# Altium PCB EinsyRetro.PcbDoc (part 4 of 5)
Units mil, origin at the board's own origin, x right, y up, seen from the top; angles counter-clockwise.
Board outline 4134 x 2795 mil, 6 copper layers (Top, GND, Signal Layer 1, Supply, Signal Layer 2, Bottom), stack 61.838 mil thick; 427 components, 287 nets, 1377 pads, 895 vias.
Unrouted connection lines stored in the file: 3.
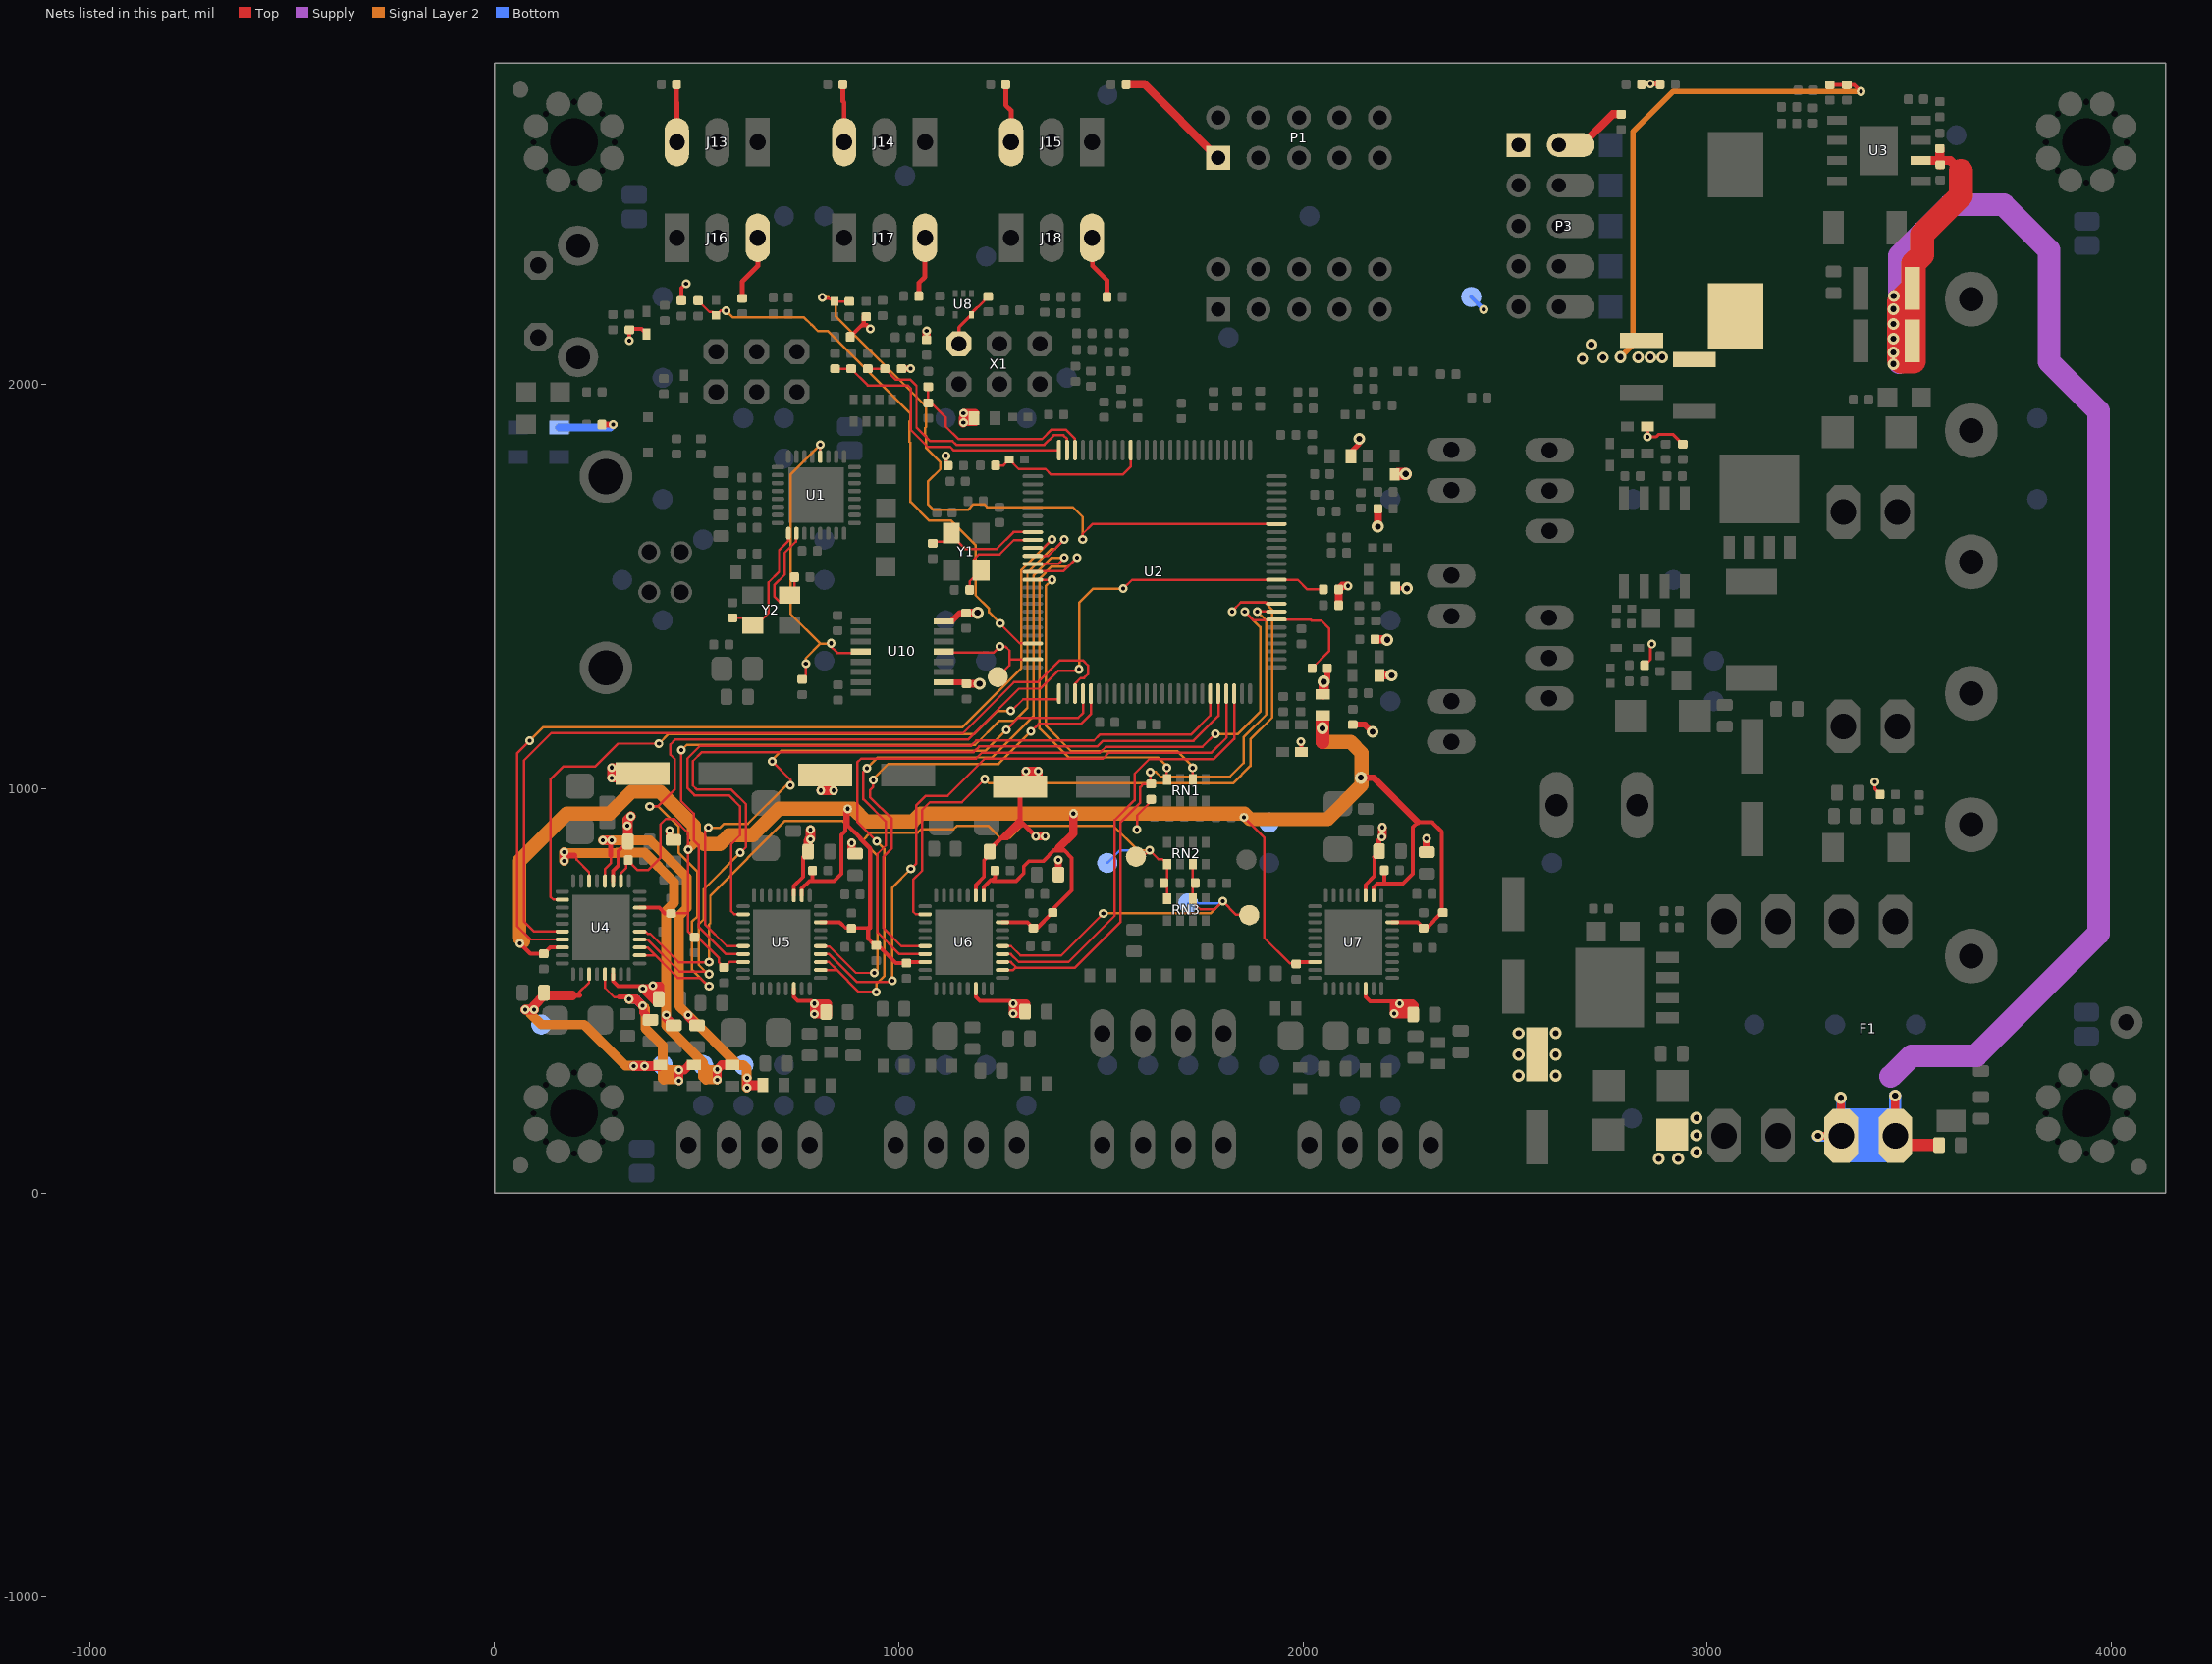
[diagram p8: the nets of this part, all layers, seen from the top]

## Via types
v1: diameter 22, hole 10, Top to Bottom, tented both sides, 330 vias
v2: diameter 22, hole 10, Top to Bottom, 295 vias
v3: diameter 30, hole 15, Top to Bottom, 194 vias
v4: diameter 30, hole 15, Top to Bottom, tented both sides, 45 vias
v5: diameter 29, hole 15, Top to Bottom, tented both sides, 27 vias
v6: diameter 32, hole 15, Top to Bottom, tented both sides, 4 vias

## Nets (pads, with @x,y where several pads share a name; then routed paths per layer and width w, separated by ;. In a path a pad name is that pad's centre, name@x,y a point inside that pad or via, vN(x,y) a via of type N, cw(c..) or ccw(c..) an arc to the next point about the centre after c; other vN are vias at no path point) (continued)
VCC: C25.2 C30.2 C35.2 C44.1 C46.2 C68.2 C69.1 C121.2 C122.1 C125.1 C126.1 C127.1 C128.1 C129.1 D1.K D3.C D11.K D13.K D15.K D33.K FB3.1 FB4.1 FB21.1 J13.3 J14.3 J15.3 J16.3 J17.3 J18.3 JP3.2 L1.2 P1.1 P3.1 P3.2 R3.1 R5.2 R28.2 R29.2 R31.2 R35.2 R36.2 R46.2 R51.2 R52.2 R54.2 R60.2 R61.2 R63.1 R64.1 R65.1 R68.1 R70.1 R71.1 R77.2 R78.2 TP32.TP U8.5 U10.10 U10.16 X1.2 | length 4373
  Top w6: 1193,2189 1194.72,2190.72 1196.08,2190.72 1210.73,2205.36 1210.73,2206.73 1220.85,2216.85 C121.2@1221,2216.85 ; v2(1589.25,898.25) 1589.25,933.25 1624.25,968.25 R77.2@1624.25,973.25
  Top w7: R28.2@2845,1305 2859,1319 2859,1353 v1(2863,1357)
  Top w8: X1.2@1149,2100 1149,2140.74 U8.5@1179.68,2171.43 1179.68,2175.68 1193,2189 ; v2(2852,1870) 2874,1870 2880,1876 2915,1876 R29.2@2939,1852 ; v1(3414.25,1016.25) 3414.25,998.25 R60.2@3427.25,985.25
  Top w10: v1(333.25,2108.25) 333.25,2134.25 R46.2@334,2135 ; R46.2@333.25,2136.56 363.88,2136.56 D3.C@376,2124.44 ; R64.1@462.56,2206.81 462.56,2237.56 v2(474,2249) ; R70.1@880.12,2117.13 900.79,2137.8 ; R65.1@913.39,2167.13 913.39,2150.39 900.79,2137.8 ; v2(930,2137) 921,2146 908.99,2146 900.79,2137.8 ; v2(1117,1823) 1111.99,1823 1117,1817.99 1117,1803.99 R68.1@1122.22,1798.77 ; v1(1995,1116) 1996,1116 D33.K@1996,1090.54 ; P3.2@2632.68,2591.71 P3.2@2668.71,2591.71 ; v2(2852,1870) D15.K@2852,1895.46 ; R3.1@3303,2740.9 3344.95,2740.9 C25.2@3345,2740.85 3363.15,2740.85 v1(3380,2724)
  Top w11: D11.K@2228.46,1496 2229.46,1495 v3(2257,1495)
  Top w12: C122.1@450.7,2742 450.7,2697.3 451.43,2696.57 J13.3@451.43,2598.68 ; C127.1@613,2212.7 613,2254 651.43,2292.43 J16.3@651.43,2362.46 ; C125.1@861.7,2742 861.7,2700.3 864.82,2697.18 J14.3@864.82,2598.68 ; C128.1@1049.7,2218 1049.7,2250.7 1064.82,2265.82 ; 1056.7,2257.7 1064.82,2265.82 ; J17.3@1064.82,2362.46 1064.82,2265.82 ; C126.1@1264.7,2742 1264.7,2690.3 1278.2,2676.8 J15.3@1278.2,2598.68 ; J18.3@1478.2,2362.46 1479.3,2361.36 1479.3,2292.7 1515.3,2256.7 C129.1@1515.3,2216 ; FB3.1@2118.18,1822 2118.18,1832.18 2139,1853 v3(2139,1865) ; R61.2@2843,2743 R51.2@2878,2743
  Top w15: R35.2@266,1900 v2(294,1900) ; R71.1@1006.89,2038.19 1007.09,2038.39 v1(1029.53,2038.39) ; U10.10@1111.13,1263.04 C68.2@1163.88,1263.04 ; U10.16@1130.96,1414.04 1151.23,1434.31 C69.1@1166.59,1434.31 ; v1@1159,1904 FB21.1@1191,1904 ; v3@1196.96,1263.04 v3@1201,1259 ; v3(2051.25,1264.25) 2060,1273 R54.2@2060,1297.5 ; R5.2@2123,1158 2153,1158 2171,1140 v3(2172,1140)
  Top w20: R63.1@1069,2113.9 v1(1069,2132) ; C69.1@1166.59,1434.31 1197.31,1434.31 v3@1198,1435 ; C68.2@1167.57,1259.35 1167.92,1259 v3@1201,1259 ; C44.1@1562.7,2742 1608,2742 P1.1@1790,2560 ; R78.2@2088,1455 R52.2@2088,1492.5 2096.75,1501.25 v1(2111.25,1501.25) ; R36.2@2178,1369 v3@2208,1369 ; v3(2185,1648) R31.2@2185,1692 ; D13.K@2189,1280 v3(2219,1280) ; P3.2@2632.68,2591.71 P3.2@2632.98,2592 ; P3.2@2668.71,2591.71 2689.71,2591.71 2766,2668 C46.2@2787,2668
  Top w22: v1@1159,1904 1159,1916 ; FB21.1@1185.82,1916 1159,1916 ; FB21.1@1188,1928 v1(1160,1928) 1160,1917 1159,1916
  Top w25: FB4.1@2049,1233.18 2051.25,1235.43 v3(2051.25,1264.25)
  Top w30: D1.K@2234,1778 v3(2254,1778)
  Signal Layer 2 w14: v4(2785,2067) 2816,2098 2816,2625 2915,2724 v1(3380,2724)
  Bottom w10: TP32.TP@2416,2216 v2(2447,2185)
  Bottom w20: JP3.2@160.25,1892.67 286.67,1892.67 v2(294,1900)
  other v1: 1160,1905 2859,2743
  other v3: 1200,1259 2208,1368 1195,1435
  other v5: 2691,2063 2742,2066 2829,2067 2859,2067 2888,2067 2713,2098
VCC-MOT: C39.2 C41.2 C50.2 C51.2 C53.2 C54.2 C55.2 C64.2 C73.2 C92.2 C94.2 C95.2 FB4.2 R4.2 R8.2 R12.2 R14.2 TP8.TP U4.8 U4.26 U4.30 U5.8 U5.26 U5.30 U6.8 U6.26 U6.30 U7.8 U7.26 U7.30 | length 6944
  Top w6: U4.30@312.83,771.21 312.83,790.83 326,804 326,814 332,820 354,798 380,798 410.34,828.34 410.34,911.34 424,925 444,925 478.5,890.5 478.5,849.5 v1(479,849) ; C95.2@437,692 476,692 479,695 ; v1@479,848 479,695 ; U5.8@615.53,570.84 581.84,570.84 C53.2@568,557 555.5,569.5 555.5,580.15 507.65,628 497,628 479,646 479,695 ; 924.5,655 929.25,655 ; C64.2@1019,568 C64.2@1021.84,570.84 ; C50.2@1333,655 C50.2@1343,655 ; v1(1854,929) 1904,879 1904,630.79 1966.79,568 1983,568 C41.2@1985.84,570.84 ; C39.2@2297,655 C39.2@2298,655 C39.2@2305,655
  Top w9.5: C94.2@122,591 137.84,606.84 U4.8@168.15,606.84 ; U4.26@359.09,705.27 U4.26@359.29,705.27 407.24,705.27 421.5,691 C95.2@437,691 ; U5.30@760.21,735.21 760.21,752.33 779.14,771.25 787,771.25 840.25,771.25 858.25,789.25 858.25,801.25 ; U5.26@806.67,669.27 853.24,669.27 856.25,666.25 857.25,666.25 868.5,655 929.25,655 ; C64.2@1021.84,570.84 U6.8@1065.53,570.84 ; U6.30@1210.21,735.21 1210.21,756.21 1227,773 1231,773 ; C55.2@1238,797 1238,780 1231,773 ; U6.26@1256.47,669.27 1318.73,669.27 C50.2@1333,655 ; 1358,821 1357.28,820.28 1322.28,820.28 1309.25,807.25 1309.25,790.25 1290.25,771.25 1232.75,771.25 1231,773 ; C41.2@1985.84,570.84 U7.8@2029.53,570.84 ; U7.30@2174.21,735.21 2174.21,755.21 2184,765 2201,765 ; C73.2@2201,796 2201,765 ; U7.26@2220.47,669.27 2262.64,669.27 2263.16,668.75 2282.84,668.75 2283.17,669.08 2283.3,668.95 2284.05,668.95 C39.2@2298,655 ; 2271.56,789.56 2247,765 2201,765 ; 2271.72,791.72 2271.72,805
  Top w10: v1(63,617) 89,591 C94.2@122,591 ; v1@479,848 v1(479,849) ; 787,771.25 C54.2@787,797 ; 858.25,801.25 858.25,885.54 868,895.28 868,944 v1(874,950) 874,908 890,892 890.94,892 905,877.94 905,876.06 929.25,851.81 929.25,655 ; 924.5,655 924.5,628.5 936,617 944,617 993,568 C64.2@1019,568 ; C50.2@1342,655 R8.2@1378.38,691.38 ; 1358,821 1384,847 1390,847 ; R8.2@1379.38,691.38 1379.38,699.38 1428,748 1428,828 1409,847 1395,847 ; 2271.72,805 2271.72,904.34 2284.38,917 2319.38,917 2343.38,893 2343.38,693.38 C39.2@2305,655
  Top w16: v3(2143,1027) 2174.38,1027 2284.38,917
  Top w20: 1395,852 1432,889 v1(1432,938)
  Top w35: 2048,1115 v3(2048,1149) FB4.2@2048,1167.82
  Signal Layer 2 w22: v1(479,849) 493,863
  Signal Layer 2 w35: v1@71,622 61.25,631.75 61.25,820.25 179,938 285,938 339,992 409.53,992 493.25,908.28 493.25,888.25 518.5,863 558,863 580,885 639,885 704,950 v1(874,950) 888,950 919,919 1035,919 1054,938 v1(1432,938) 1855,938 1869,924 2061,924 2145,1008 2145,1088 2118,1115 2048,1115 v3(2048,1149)
  Bottom w10: v1(1854,929) 1867,916 TP8.TP@1916,916
VMOT: C3.1 C5.1 C18.1 C23.2 C24.1 C28.2 C31.2 C32.2 C33.2 C36.2 C37.2 C40.2 C45.2 C90.2 C104.2 C105.2 C109.1 C110.2 C111.2 C130.2 D2.K F1.2 R11.2 U3.2 U4.16 U4.31 U5.16 U5.31 U6.16 U6.31 U7.16 U7.31 | length 7503
  Top w6: C36.2@2179,833 C36.2@2191.61,833
  Top w9.5: U4.16@293.15,540.9 293.15,523.35 305.25,511.25 391.25,511.25 v1(392,512) ; U4.31@293.15,771.21 293.15,796.15 307,810 307,845.77 C105.2@330.23,869 ; U5.16@740.53,504.9 740.53,484.98 750.5,475 784,475 v1(791,468) ; U5.31@740.53,735.21 740.53,758.78 763,781.25 763,830.77 C111.2@776.23,844 ; U6.16@1190.53,504.9 1190.53,484.98 1200.5,475 1276,475 v1(1283,468) ; U6.31@1190.53,735.21 1190.53,761.28 1211,781.75 1211,822 1225.23,836.23 C32.2@1225.23,844 ; U7.16@2154.53,504.9 2154.53,484.98 2165.5,474 2239.23,474 2245.23,468 C31.2@2272.23,441 ; U7.31@2154.53,735.21 2154.53,761.88 2176.75,784.1 2176.75,830.02 2176,830.77 C36.2@2188.23,843
  Top w12: C32.2@1225.23,844 1225.23,849.23 1254.25,878.25 ; 1300.64,965.25 1300.64,924.64 ; C5.1@1300.64,1015 1300.64,1005.36 1300.64,924.64 ; 1309,910 1310.28,910 ; v1@1338.28,882 1310.28,910 ; C36.2@2188.23,843 C36.2@2188.23,845 2188.23,873.23 v1(2195,880) ; 1254.25,878.25 1268.25,878.25 1296.64,906.64 1300.64,906.64 1300.64,919.64 ; 1254.25,878.25 1300.64,924.64 ; 1300.64,919.64 1310.28,910 ; 1300.64,919.64 1300.64,924.64
  Top w16: C28.2@883,845.39 891,837.39 C28.2@890.38,836.77 ; C33.2@1394.77,787 v1@1394.77,817.23 ; C37.2@2304.38,836.77 v1@2304.38,867
  Top w18: v1@367,503 C104.2@400,470 ; v1(367,505) 380.23,505 C104.2@392,493.23
  Top w20: v1(433.25,896.25) 433.25,882.52 C90.2@443,872.77 ; v1(883.25,865.25) 883.25,847.52 C28.2@892,838.77 ; v1@1338.28,882 v1(1362,882) ; v1(2239,468) 2245.23,468 2271,468 2276,463 C31.2@2276,433 ; C31.2@2272.23,441 2252,441 ; v3(3274,141) F1.2@3331,141 3330,142 v3(3330,235) ; v3(3464.25,240.25) 3464.25,141.75 F1.2@3465,141 ; 2252,441 2227,466 2225,466 v1(2225,443) 2227,441 2252,441 ; C104.2@392,493.23 v1(392,512) 410,512 410,482.77 C104.2@406.23,479 C104.2@392,493.23
  Top w22: v1(807,995) v1(839,995) ; C110.2@824,439 824,468 v1(791,468) 791,455 ; C5.1@1300.28,1005 1300.64,1005.36 1315,1019.72 v1(1315,1043) v1(1345,1043) C5.1@1345,990 ; v1(2195,880) 2196,881 v1(2196,904) ; U3.2@3527.35,2553 C130.2@3575,2553 ; R11.2@3575,2583 C130.2@3575,2553 ; C130.2@3576,2542.85 3575,2543.85 C130.2@3575,2553 ; 3627,2527 3601,2553 C130.2@3575,2553 ; 791,455 v1(791,442) 815.23,442 C110.2@820.23,447 799,447 791,455 ; 1283,456 v1(1283,443) 1307.23,443 C23.2@1312.23,448 ; 1283,456 v1(1283,468) 1315,468 1315,450.77 C23.2@1312.23,448 ; 1283,456 1291,448 C23.2@1312.23,448 ; v1(290,1026) 355.64,1026 C24.1@366.64,1037 351.64,1052 v1(290,1052) v1(290,1026)
  Top w24: C105.2@330.23,869 330.23,924.23 v1(337,931) v1@338,931 ; C111.2@776.23,844 776.23,871.23 782,877 v1(782,898)
  Top w30: F1.2@3488,118 C3.1@3573.23,118
  Top w60: C45.2@3506.98,2237 3474,2204.02 3474,2061 3479,2056 3509,2056 3510,2057 3510,2298.76 3531,2319.76 3531,2371 3627,2467 3627,2527
  Supply w56: 3453.25,287.25 3505.25,339.25 3665.25,339.25 3967.25,641.25 3967.25,1933.75 3845,2056 3845,2332 3733,2444 3601,2444 3475,2318 3475,2053.65
  Signal Layer 2 w24: v1(329,908) 329,923 v1(337,931)
  Bottom w22: v3(3330,235) 3330,142 F1.2@3331,141
  Bottom w25: v3@3271.25,138.25 F1.2@3328.25,138.25
  Bottom w30: v3(3464.25,240.25) 3464.25,169.31 F1.2@3465,168.56
  Bottom w85: F1.2@3342.81,117.25 F1.2@3449.25,117.25 ; F1.2@3347.81,166.25 F1.2@3454.25,166.25
  other v1: 1395,823 782,874 2305,876 1339.28,882
  other v3: 2880,84 2928,84 2973,100 2973,142 2973,185 2533,290 2625,290 2533,342 2625,342 2533,394.72 2625,395
  other v5: 3460,2050 3460,2079 3460,2113 3460,2149 3460,2186 3461,2218
X-DIR: U2.35 U4.7 | length 2307
  Top w6: v1(87,1118) 56,1087 56,660 89.47,626.53 U4.7@168.15,626.53 ; U2.35@1317.83,1595.06 1357.88,1595.06 v1(1378.83,1616)
  Signal Layer 2 w6: v1(87,1118) 121,1152 1157.86,1152 1303.41,1297.55 1303.41,1540.58 v1(1378.83,1616)
X-EN: U2.71 U4.22 | length 2294.7
  Top w6: U4.22@359.12,626.5 378.5,626.5 458,547 525,547 v1(531,541) ; v1(608,841) 622,855 622,961.47 586.22,997.25 501,997.25 491,1007.25 491,1068 513,1090 1185,1090 1199,1104 1491,1104 1505,1118 1728.87,1118 1790.79,1179.92 U2.71@1790.79,1221
  Signal Layer 2 w6: 505,572 505,564 ; v1(531,541) 528,541 505,564 ; v1(608,841) 518,751 518,677 505,664 505,564
X-STEP: U2.53 U4.6 | length 2108.4
  Top w6: U4.6@168.15,646.21 97.79,646.21 73,671 73,1069.23 140.77,1137 1159,1137 1285,1263 1344,1263 1398.25,1317.25 1455.25,1317.25 1468.25,1304.25 1468.25,1283.25 1458.25,1273.25 1450.19,1273.25 1435.94,1259 U2.53@1435.94,1221
X_0A1: C98.1 FB6.1 TP75.TP U4.34 | length 1261
  Top w6: v1@169,840 v1@170,839 ; v1@171,838 v1@170,839 ; 181,834 173,842 172,841 v1@170,839 ; 203.2,827.8 203.2,824.04 234.09,793.15 U4.34@234.09,771.21
  Top w15: 181,834 197,834
  Top w22: v1(172,821) 172,841 v1(172,843) ; v1(425.25,439.25) 425.25,432.25 C98.1@443.5,414 ; v2(551.25,279.25) v2(551.25,305.25) 562.25,316.25 FB6.1@588.25,316.25
  Signal Layer 2 w22: 516,286.5 521.75,292.25 551.25,292.25 ; 516,316 526.75,305.25 v2(551.25,305.25) 551.25,292.25 ; 523.25,279.25 v2(551.25,279.25) 551.25,292.25
  Signal Layer 2 w24: v1(172,821) v1(172,843) 174.5,840.5 303.05,840.5 303.55,841 372,841 444.5,768.5 444.5,716.95 425,697.45 425,413.5 516,322.5 516,286.5 523.25,279.25
  Bottom w10: TP75.TP@516,316 526.75,305.25 v2(551.25,305.25)
X_0A2: C97.1 FB22.1 TP73.TP U4.32 | length 1144.6
  Top w6: U4.32@273.46,771.21 274,771.75 274,801 287.8,814.8 287.8,834 ; v1@284,872 287,875 v1(290,872) v1@287.8,869.8
  Top w12: 287.8,834 v1@287.8,869.8
  Top w22: v1(268,872) 284,872 v1(290,872) ; v1(479.25,439.25) 479.25,436.02 C97.1@501.5,413.77 ; v2(625.25,260) v2(625.25,284)
  Top w24: v2@627.25,266.25 FB22.1@664.07,266.25
  Signal Layer 2 w24: v1(268,872) v1(290,872) 385,872 444.5,812.5 444.5,812.34 476,780.84 476,704 457,685 457,461.5 ; 457,485.25 457,461.5 ; v2@624.25,260 624.25,307.75 616,316 602.5,316 v1(479.25,439.25) 457,461.5
  Bottom w10: TP73.TP@616,316 624.25,307.75 v2@624.25,284
X_0B1: C101.1 FB8.1 TP1.TP U4.13 | length 722.6
  Top w6: 209,495 234.09,520.09 U4.13@234.09,540.9
  Top w12: 193,488 211.2,488
  Top w24: v1(76,453) v1(98,453) 98,463 122.77,487.77 C101.1@122.77,495 ; C101.1@124,488 193,488 ; v1(344.47,313.25) 407.07,313.25 FB8.1@410.25,316.43
  Supply w22: v1(76,453) v1(98,453)
  Signal Layer 2 w24: v1(76,453) v1(98,453) 90,445 90,442 116,416 222,416 323.75,314.25 v1@372.03,314.25
  Bottom w10: v1(98,453) 98,434 TP1.TP@116,416
  other v1: 371.25,313.25
X_0B2: C100.1 FB7.1 TP74.TP U4.15 | length 726.8
  Top w6: U4.15@273.46,540.9 273.46,507.04 296.5,484 308.25,484
  Top w12: 308.25,484 v1@342,484
  Top w20: v1(366,463) 368.43,460.57 368.43,445.34 C100.1@386,427.77
  Top w22: v1(333,479) 350,479 v1(366,463) ; v2(456.25,277.25) v2(456.25,303.25) 469.25,303.25 FB7.1@482.25,316.25
  Supply w22: v1(333,479) 350,479 v1(366,463)
  Signal Layer 2 w22: v1(333,479) 350,479 v1(366,463) ; 416,292.25 455.25,292.25 ; 416,316 426.75,305.25 455.25,305.25 455.25,292.25 ; 418.25,279.25 455.25,279.25 455.25,292.25
  Signal Layer 2 w24: v1(366,463) 373,456 373,407 416,364 416,316 416,292.25 416,281.5 418.25,279.25
  Bottom w10: TP74.TP@416,316 426.75,305.25 v2@455.25,305.25
X_DIAG: R52.1 U2.87 U4.20 U4.21 | length 2866.9
  Top w6: U4.20@359.09,587.16 397.75,587.16 ; U4.21@359.09,606.84 378.16,606.84 453.75,531.25 508.75,531.25 528,512 v1@531,512 ; v1(384,956) 404,956 446.25,998.25 446.25,1072.75 435,1084 435,1109 447,1121 1171,1121 1297,1247 1350,1247 1394,1291 v1@1446,1291 ; v2(1555.25,1494.25) 1577,1516 1987,1516 2010.5,1492.5 R52.1@2050.1,1492.5
  Signal Layer 2 w6: v1(384,956) 405.5,956 456.25,905.25 456.25,840.25 502,794.5 502,684 489,671 489,551 528,512 v1@531,512 ; v1@1446,1291 1446,1459 1481.25,1494.25 v2(1555.25,1494.25)
  other v1: 531,511 1446,1295
X_MAX: RV11.2 RV36.1 U2.47 | length 1404.2
  Top w6: RV36.1@510.59,2206.81 RV36.1@503.9,2206.81 531.71,2179 539.3,2179 RV11.2@548,2170.3 559.96,2182.26 572.74,2182.26 v2(573,2182) ; v1(1250.98,1408.46) 1250.98,1407.48 1299.63,1358.83 U2.47@1331.61,1358.83
  Signal Layer 2 w6: v2(573,2182) 589.65,2165.35 765.65,2165.35 783.5,2147.5 784.12,2147.5 800.62,2131 825.23,2131 1029,1927.23 1029,1910.85 1026,1907.85 1026,1858.15 1029,1855.15 1029,1709.19 1075.79,1662.4 1129.92,1662.4 1189.96,1602.36 1189.96,1478.35 1223.43,1444.88 1223.43,1436.02 v1(1250.98,1408.46)
X_MIN: RV3.2 RV33.1 U2.25 | length 700.8
  Top w6: RV33.1@842.48,2038.24 RV33.1@842.58,2038.14 RV3.2@882.48,2038.14 923.57,1997.05 1022.64,1997.05 1030,1989.69 1030,1887.09 1072.09,1845 1127.49,1845 1136.49,1836 1392,1836 U2.25@1397.25,1841.25
X_nCS: U2.51 U4.2 | length 1663.1
  Top w6: U4.2@168.15,724.95 146.05,724.95 138.5,732.5 138.5,1022.5 170,1054 249,1054 306,1111 v1(407,1111) ; v1(1277,1192) 1279,1192 1308,1221 U2.51@1396.57,1221
  Signal Layer 2 w6: v1(407,1111) 431,1135 1187,1135 1244,1192 v1(1277,1192)
XT1: C13.1 U1.1 Y2.1 | length 326.3
  Top w6: C13.1@589,1422.3 621.01,1422.3 Y2.1@638.72,1404.58 648.58,1404.58 678,1434 678,1509.86 704,1535.86 704,1589.4 727,1612.4 U1.1@727,1631.51
XT2: C12.1 U1.2 Y2.3 | length 250
  Top w6: Y2.3@706.5,1460.5 692,1475 692,1503 718,1529 718,1583 746,1611 746,1631.51 U1.2@745.65,1631.17 ; Y2.3@730,1478 742.3,1490.3 C12.1@742.3,1523
XTAL1: C57.1 U2.34 Y1.1 | length 246.2
  Top w6: C57.1@1175.62,1491.2 1175.62,1512.77 Y1.1@1203.56,1540.72 1186,1558.28 1186,1567 1198,1579 1249.26,1579 1285,1614.74 U2.34@1317.83,1614.74
XTAL2: C58.1 U2.33 Y1.3 | length 260.2
  Top w6: C58.1@1084,1606.7 1088.3,1611 1146,1611 1164,1593 1242.57,1593 1284,1634.43 U2.33@1317.83,1634.43
XTRA0: R62.1 U1.20 U10.4 | length 801.6
  Top w6: R62.1@761.25,1270.15 770.25,1279.15 v1(770.25,1309.25) ; U1.20@805.84,1821 805.84,1849.84 v1(806.25,1850.25) ; v1@828.25,1358.25 828.25,1355.25 848.25,1335.25 902.48,1335.25 U10.4@905.76,1338.54
  Signal Layer 2 w6: v1(770.25,1309.25) 770.25,1322.25 806.25,1358.25 ; v1(806.25,1850.25) 732.25,1776.25 732.25,1432.25 806.25,1358.25 ; v1@828.25,1358.25 806.25,1358.25
  other v1: 832.25,1359.25
XTRA_0: TP11.TP U2.49 U10.13 | length 295.5
  Top w6: U10.13@1111.13,1338.54 1113.67,1336 1235,1336 v1(1250,1351) 1264,1351 1274,1341 1274,1320 ; TP11.TP@1245,1276 1274,1305 1274,1320 ; U2.49@1317.83,1319 1275,1319 1274,1320
XY-REF: C48.1 RN2.5 RN3.4 TP12.TP TP72.TP U4.23 U5.23 | length 2415.7
  Top w6: U4.23@373.74,646.21 379.45,640.5 385.5,640.5 456,570 v1@531,570 ; U5.23@806.47,610.21 807.69,609 829,609 894,544 v1(940,544) ; TP72.TP@1586.72,831.4 1594.32,839 1612.04,839 v2(1620.19,847.15) 1642.04,825.3 1651.68,825.3 RN2.5@1663.72,813.26 1663.72,771.59 1658.57,766.44 1663.72,761.29 RN3.4@1663.72,727.07
  Signal Layer 2 w6: v1@531,570 531,664 534,667 534,735 719,920 861,920 910,871 ; v1(940,544) 948,552 948,833 910,871 ; v2(1620.19,847.15) 1591.1,847.15 1530.25,908 1305,908 1275,878 1251,878 1221,908 1144.47,908 1135.47,899 1055,899 1047,891 930,891 910,871
  Bottom w6: TP12.TP@1516,816 1547.15,847.15 v2(1620.19,847.15)
  other v1: 531,571
XY-REF-PWM: RN1.4 U2.38 | length 1006
  Top w6: U2.38@1317.83,1536 1319.83,1538 1408,1538 1440.83,1570.83 v1(1440.83,1571) ; v1(1663,1051) 1663,1023.07 RN1.4@1663.72,1022.35
  Signal Layer 2 w6: v1(1440.83,1571) 1440.83,1570.83 1419,1549 1378,1549 1348.41,1519.41 1348.41,1148.59 1420,1077 1641,1077 v1@1664,1054
Y-DIR: U2.36 U5.7 | length 2073.6
  Top w6: v1(462,1095) 461.5,1094.5 461.5,969.5 493,938 493,872 505.12,859.88 505.12,657.88 572.47,590.53 U5.7@615.53,590.53 ; U2.36@1317.83,1575.37 1369.37,1575.37 1409.83,1615.83 v1(1409.83,1616)
  Signal Layer 2 w6: v1(462,1095) 463,1095 476,1108 1189,1108 1248,1167 1286,1167 1318.41,1199.41 ; 1318.41,1211 1318.41,1199.41 ; v1(1409.83,1616) 1409.83,1615.83 1387,1593 1378,1593 1318.41,1533.41 1318.41,1199.41
Y-EN: U2.72 U5.22 | length 1597
  Top w6: U5.22@806.47,590.53 827.47,590.53 896,522 981,522 v1(984,525) ; v1(1030,801) 1043,814 1043,958 1067,982 1121,982 1213,1074 1505,1074 1519,1088 1772.77,1088 1810.79,1126.02 U2.72@1810.79,1221
  Signal Layer 2 w6: v1(984,525) 984,755 v1(1030,801)
Y-STEP: U2.54 U5.6 | length 1546.5
  Top w6: v1(529,903) 521.12,895.12 521.12,663.88 574.79,610.21 U5.6@615.53,610.21 ; v1(687,1067) 732.25,1021.75 v1(732.25,1008.25) ; v1(1266,1145) 1296,1175 1444,1175 1455.62,1186.62 1455.62,1221 U2.54@1454,1219.38
  Signal Layer 2 w6: v1@523,907 v1@529,907 ; v1(529,903) 558,903 568,913 627,913 722.25,1008.25 v1(732.25,1008.25) ; v1(687,1067) 687,1071 709,1093 1214,1093 v1(1266,1145)
Y_DIAG: R54.1 U2.82 U5.20 U5.21 | length 2495
  Top w6: U5.20@806.47,551.16 846.84,551.16 ; U5.21@806.47,570.84 827.16,570.84 846.84,551.16 ; v1@941,502 945,498 945,497 901,497 846.84,551.16 ; v1(946,869) 897.5,917.5 897.5,1064.5 907,1074 1191,1074 1206,1089 1498,1089 1512,1103 1751,1103 v1(1783,1135) v1@1783,1135.36 ; v1(1855.79,1438) 1855.79,1437.21 1877,1416 1946.79,1416 U2.82@1947.79,1417 ; U2.82@1933.97,1417.89 2018.61,1417.89 2021.25,1415.25 2045.25,1415.25 2064.25,1396.25 2064.25,1339.65 R54.1@2022.1,1297.5
  Signal Layer 2 w6: v1(946,869) 965,850 965,537 945,517 945,497 v1@950,497 ; v1(1783,1135) 1839,1135 1894,1190 1894,1399 1855.79,1437.21 v1(1855.79,1438)
  other v1: 944,497
Y_MAX: RV13.2 RV37.1 U2.94 | length 1707.7
  Top w6: v1(811,2215) 814,2212 834.26,2212 RV13.2@841.54,2204.72 RV37.1@877.79,2204.72 ; v2(1455,1616) 1455,1630 1479.11,1654.11 U2.94@1947.79,1654.11